# KiCad board kicker.kicad_pcb (continued)
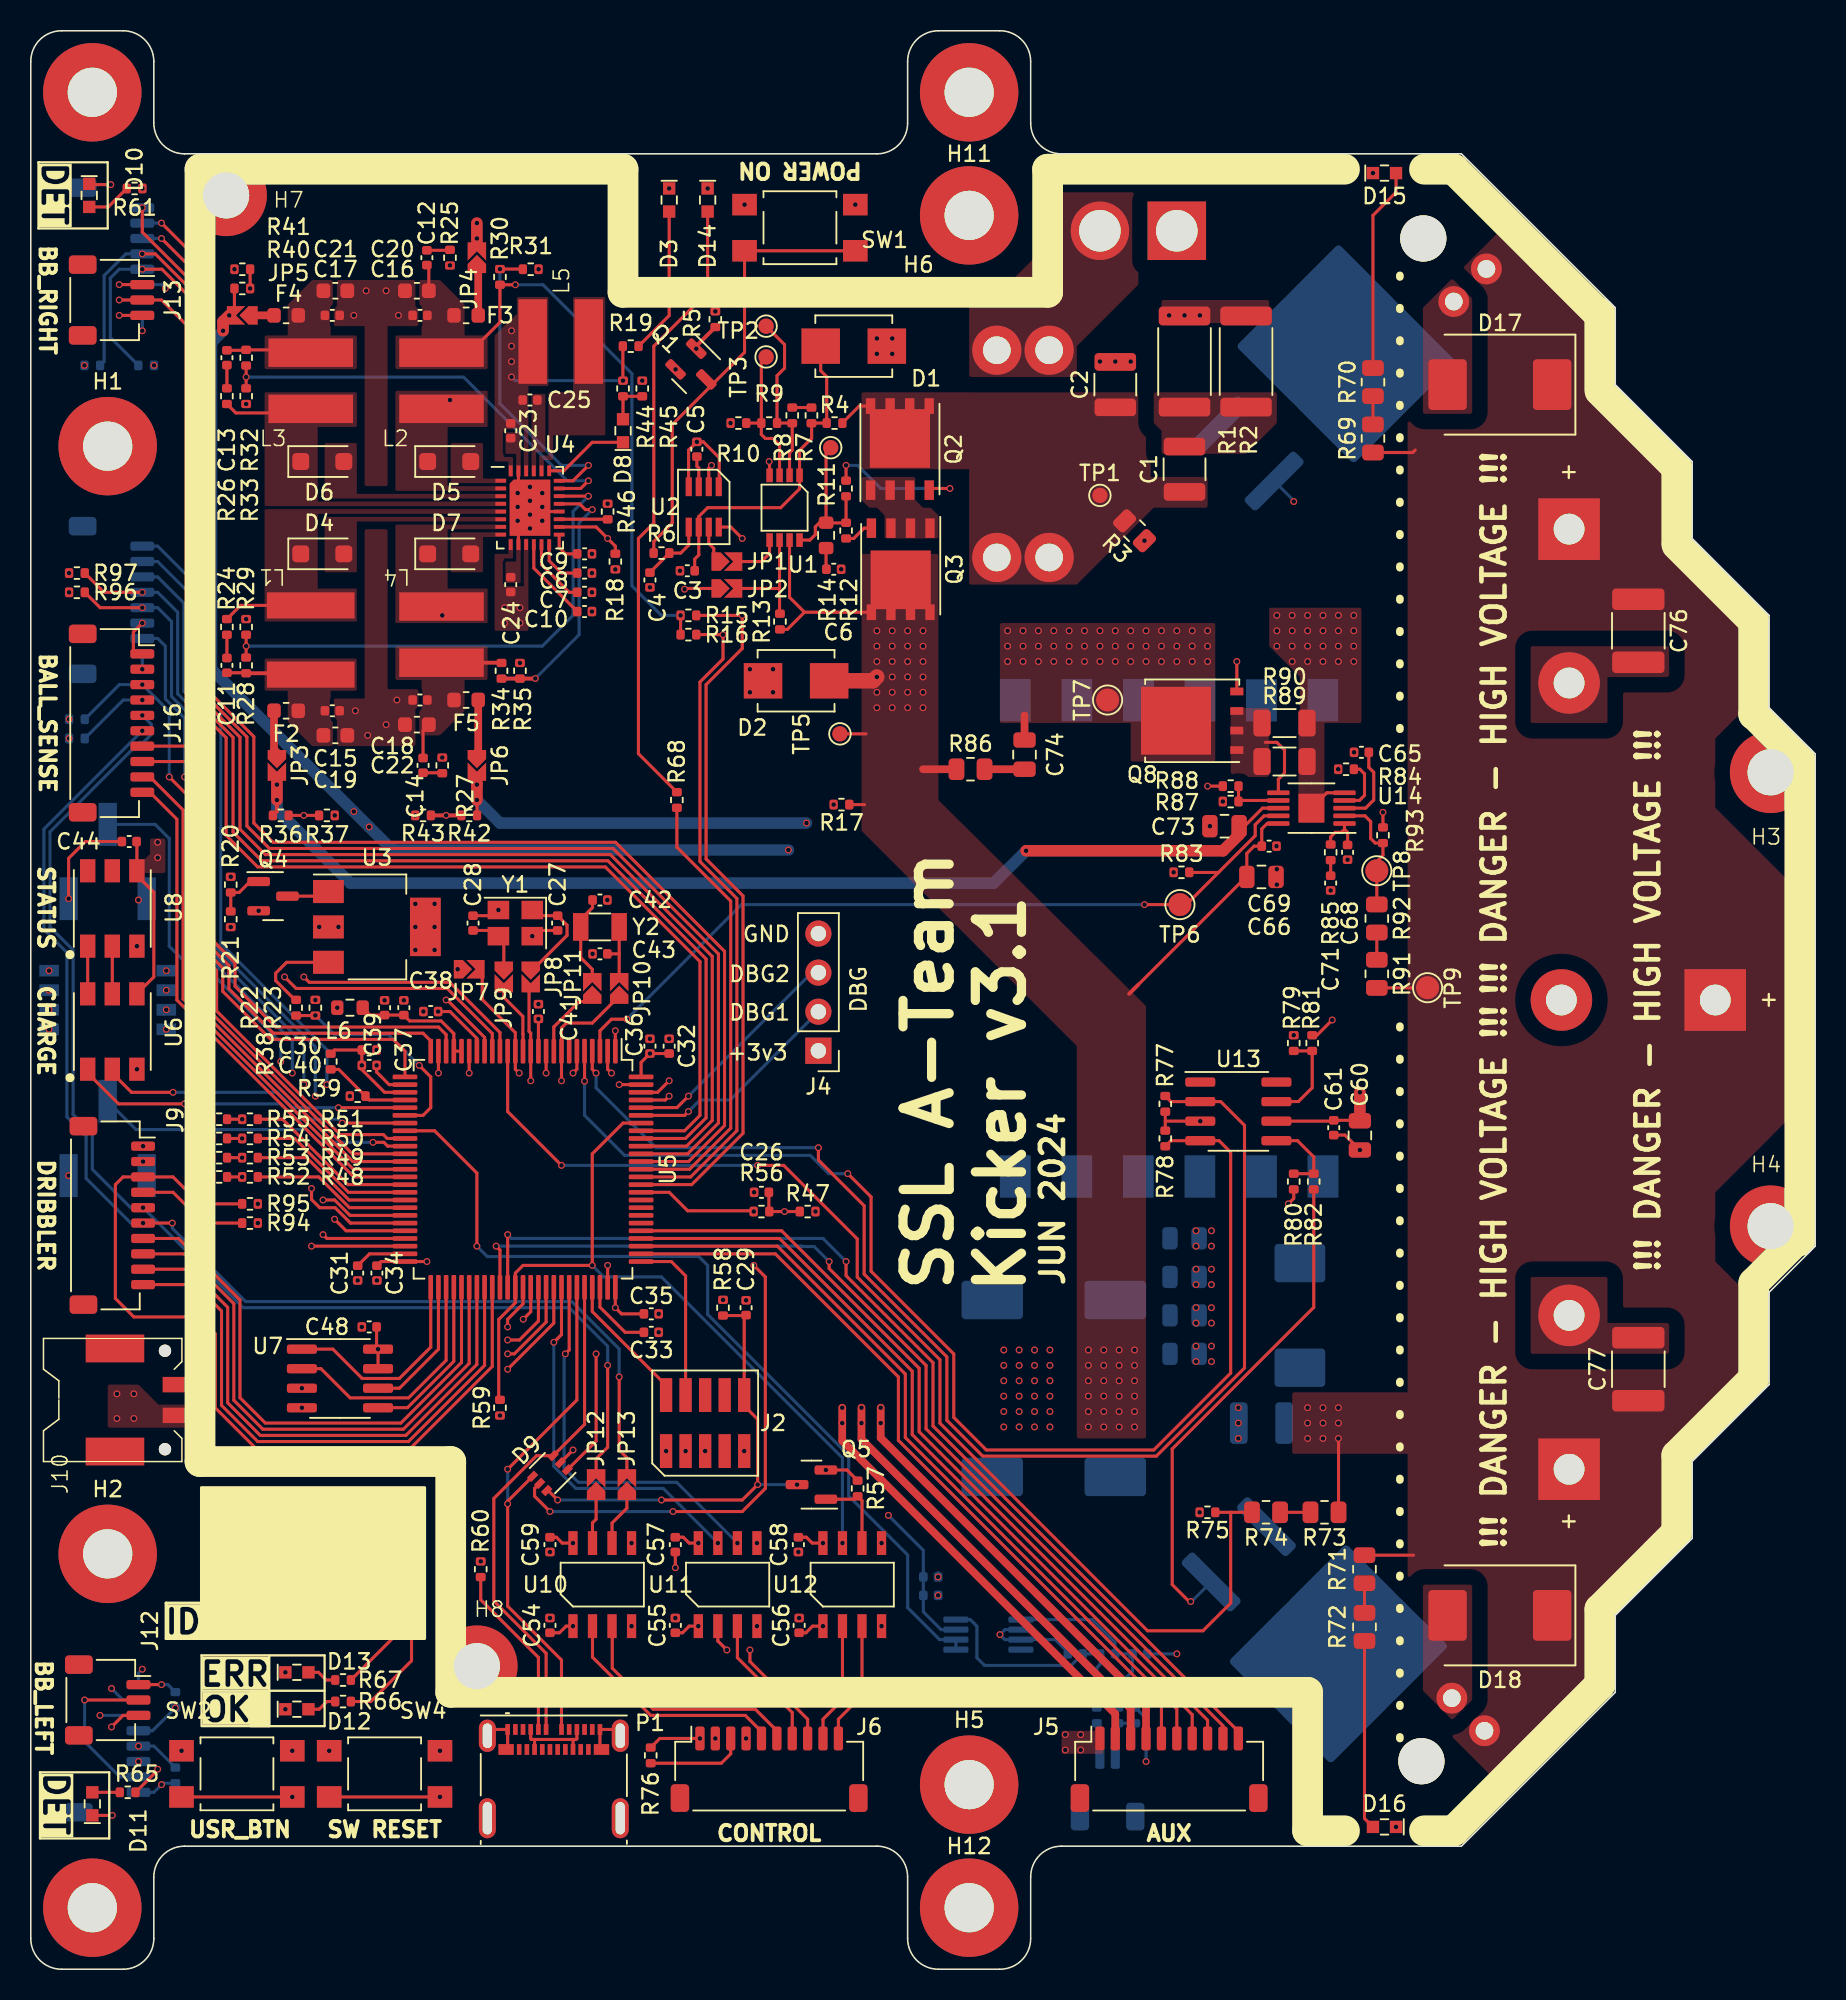
[diagram p0: board, top side]
## Routing (per net, layer and track width the routed paths; a pad name or vN(x,y) marks a point on that pad's centre or on a via; arc(x,y) is an arc through that point) (continued)
/Breakbeam/BB_LEFT.SCL: length 40.5
  Top w0.2: v1(31,39) 34,42 U5.67
  In1.Cu w0.2: v1(31,39) 9.4,17.4 v1(9.4,16.99)
  Bottom w0.2: v1(9.4,16.99) 7.91,15.5 J15.5
/Breakbeam/BB_LEFT.SDA: length 44
  Top w0.2: v1(31,40) 31.43,40 33.5,42.07 U5.66
  In1.Cu w0.2: v1(31,40) 8.22,17.22 8.22,15.72 v1(7,14.5)
  Bottom w0.2: v1(7,14.5) 8.01,14.5 R99.2
/Breakbeam/BB_LEFT.~{DET}: length 40.7
  Top w0.2: v1(31,41.75) 31,42.25 32,43.25 U5.63
  In1.Cu w0.2: v1(5.25,18.25) 5.25,18.5 28.5,41.75 v1(31,41.75)
  Bottom w0.2: v1(5.25,18.25) 6,17.5 J15.7
/Breakbeam/BB_RIGHT.AGPIO: length 66.9
  Top w0.2: v1(5.75,108.5) J13.2 8.5,108.5 10.1,106.9 10.1,82.18 11.9,80.38 11.9,66.8 13.28,65.42 13.28,63.89 15.93,61.24 26.51,61.24 27,60.75 U5.23
  Bottom w0.2: J13.2 v1(5.75,108.5)
/Breakbeam/BB_RIGHT.INT: length 93.1
  Top w0.2: v1(7.25,114.5) 7.25,112.91 11.09,109.07 11.09,82.59 13.6,80.08 13.6,74.1 15.25,72.45 37.68,72.45 44.3,65.83 44.3,55.17 42.63,53.5 U5.91
/Breakbeam/BB_RIGHT.RST: length 92.7
  Top w0.2: v1(8.5,112.5) 11.42,109.58 11.42,82.73 14.05,80.1 14.05,74.31 15.51,72.85 37.85,72.85 44.7,66 44.7,55 42.7,53 U5.90
  Bottom w0.2: v1(8.5,112.5) J14.6
/Breakbeam/BB_RIGHT.SCL: length 98.8
  Top w0.2: v1(7.25,111.5) 8.09,111.5 10.76,108.83 10.76,82.46 13.15,80.07 13.15,73.91 15.01,72.05 37.52,72.05 43.9,65.67 43.9,55.33 42.57,54 U5.92
  Bottom w0.2: R100.2 4.77,104.51 4.77,110.09 6.18,111.5 v1(7.25,111.5)
/Breakbeam/BB_RIGHT.SDA: length 97.2
  Top w0.2: v1(7.25,110.5) 8.53,110.5 10.43,108.6 10.43,82.32 12.7,80.05 12.7,73.7 14.75,71.65 37.35,71.65 43.5,65.5 43.5,55.5 42.5,54.5 39.5,54.5
  Bottom w0.2: R98.2 5.17,106.07 5.17,109.92 5.75,110.5 v1(7.25,110.5)
/Breakbeam/BB_RIGHT.~{DET}: length 94.5
  Top w0.2: v1(8.5,113.5) 11.75,110.25 11.75,82.87 14.5,80.12 14.5,74.5 15.75,73.25 38.01,73.25 45.1,66.16 45.1,54.84 42.76,52.5 U5.89
  Bottom w0.2: v1(8.5,113.5) J14.7
/digital/AUX_GPIO1: length 66.4
  Top w0.2: v1(51.9,46) 51.9,45.55 58.2,39.25 58.2,35.12 77.5,15.82 J5.9 ; U5.60 30.5,46.75 v1(30.25,47)
  Bottom w0.2: v1(51.9,46) 50.93,46.97 50.13,46.97 50.11,47 v1(30.25,47)
/digital/AUX_GPIO2: length 67.7
  Top w0.2: J5.10 78.5,15.46 58.65,35.31 58.65,39.43 53,45.08 v1(53,46) ; v1(31,47.75) U5.61
  Bottom w0.2: v1(31,47.75) 31.25,47.5 51.5,47.5 v1(53,46)
/digital/AUX_MISO: length 52.6
  Top w0.2: U5.79 48.67,47.5 57.3,38.87 57.3,34.75 75.5,16.55 J5.7
/digital/AUX_MOSI: length 53.6
  Top w0.2: U5.80 48.81,48 57.75,39.06 57.75,34.94 76.5,16.19 J5.8
/digital/AUX_NSS: length 50.6
  Top w0.2: J5.5 73.5,17.28 56.4,34.38 56.4,38.5 48.4,46.5 U5.77
/digital/AUX_SCK: length 51.6
  Top w0.2: U5.78 48.54,47 56.85,38.69 56.85,34.56 74.5,16.91 J5.6
/digital/BB_LED1_BLUE: length 81.7
  Top w0.2: v1(38,61) U5.1
  In1.Cu w0.2: v1(38,61) 16,61 11.1,65.9 11.1,111.91 v1(7.26,115.75)
/digital/BB_LED2_BLUE: length 68.3
  Top w0.2: U5.2 37.5,58.5 v1(37.75,58.25) ; R65.1 8.25,12.94 v1(8.25,13)
  In1.Cu w0.2: v1(37.75,58.25) 37.5,58 37.5,55.6 38.75,54.35 38.75,33.82 34.18,29.25 33.54,29.25 33.54,29.25 23.75,29.25 8.25,13.75 v1(8.25,13)
/digital/CMD_{CHG}: length 53.5
  Top w0.2: 77.21,71.29 75.12,69.2 TP6.1 v1(72.4,69.2) ; 77.21,71.29 75.32,71.29 R83.1 ; 77.21,71.29 79.59,73.68 79.59,74.4 80.17,74.97 U14.9 ; U5.3 37,61 37.75,61.75 v1(38.75,61.75)
  Bottom w0.2: v1(38.75,61.75) 46.2,69.2 v1(72.4,69.2)
/digital/CMD_{CHIP}: length 81.6
  Top w0.2: R78.1 74.12,53.85 U13.4 77.25,53.85 78,53.1 78,38.75 73,33.75 62.12,33.75 60,35.87 60,39.99 54.62,45.37 54.62,50.2 v1(53.11,51.71) ; v1(36,57.72) U5.5
  Bottom w0.2: v1(36,57.72) 36,55.5 38.6,52.9 50.67,52.9 51.86,51.71 v1(53.11,51.71)
/digital/CMD_{KICK}: length 84.1
  Top w0.2: v1(51.2,53.4) 51.2,52.6 54.18,49.62 54.18,45.18 59.55,39.8 59.55,35.68 61.88,33.35 73.17,33.35 78.9,39.08 78.9,54.85 77.35,56.4 74.12,56.4 R77.1 ; U5.4 36.5,58.5 v1(36.75,58.25)
  Bottom w0.2: v1(51.2,53.4) 40.64,53.4 36.75,57.29 v1(36.75,58.25)
/digital/DBG_HDR1: length 14.3
  Top w0.2: U5.95 42.5,55.5 v1(42.75,55.75)
  Bottom w0.2: J4.2 45.46,56.5 43.5,56.5 v1(42.75,55.75)
/digital/DBG_HDR2: length 14.8
  Top w0.2: 40,56 40,56 42,56 v1(42.75,56.75)
  Bottom w0.2: J4.3 50.78,64.78 v1(42.75,56.75)
/digital/DIP0: length 11.3
  Top w0.2: R51.2 16.37,55.25 20.62,51 U5.40
/digital/DIP1: length 11
  Top w0.2: R50.2 17.15,54 20.65,50.5 U5.41
/digital/DIP2: length 10.7
  Top w0.2: U5.42 20.69,50 17.94,52.75 R49.2
/digital/DIP3: length 10.4
  Top w0.2: U5.43 20.72,49.5 18.72,51.5 R48.2
/digital/DOTSTAR_MOSI: length 21.9
  Top w0.2: U6.1 3.7,58.25 5.7,56.25 v1(10,56.25) ; v1(20.25,55) 24,55
  Bottom w0.2: v1(20.25,55) 20,55.25 17.22,55.25 16.22,56.25 v1(10,56.25)
/digital/DOTSTAR_SCK: length 20.2
  Top w0.2: U6.2 5.3,58.25 6.55,57 v1(9.25,57) ; U5.30 v1(20,56)
  Bottom w0.2: v1(20,56) 17.03,56 16.03,57 v1(9.25,57)
/digital/FLASH_MISO: length 15.9
  Top w0.2: U5.53 27,39.58 24.56,37.14 20.76,37.14 18.87,39.03 U7.2
/digital/FLASH_MOSI: length 11
  Top w0.2: U5.54 27.5,39.51 24.49,36.5 22.58,36.5 U7.5
/digital/FLASH_NSS: length 13.9
  Top w0.2: U5.51 26,40.44 23.96,38.4 21.54,38.4 19.64,40.31 U7.1
/digital/FLASH_SCK: length 9
  Top w0.2: 22.57,37.76 23.97,37.76 26.5,40.3 U5.52
/digital/LED_GREEN: length 54.8
  Top w0.2: v1(41.5,56.75) 41.25,56.5 U5.97 ; R66.1 22.1,17.4 24.75,20.05 v1(24.75,25.75)
  In1.Cu w0.2: v1(41.5,56.75) 39.41,54.66 39.41,33.54 34.46,28.59 33.27,28.59 33.26,28.59 27.34,28.59 24.75,26 v1(24.75,25.75)
/digital/LED_RED: length 53.9
  Top w0.2: v1(24,25) 24,21.99 R67.1 ; v1(41.5,57.75) 40.75,57 U5.98
  In1.Cu w0.2: v1(24,25) 24,25.82 27.1,28.92 33.4,28.92 33.4,28.92 34.32,28.92 39.08,33.68 39.08,55.33 v1(41.5,57.75)
/digital/MCU_BOOT_UART.BOOT0: length 52.2
  Top w0.2: U5.94 38.5,55 36.5,53 v1(36.5,45.75) 32,45.75 31.5,45.25 U5.62 31.5,43.32 30.42,42.23 30.42,37.09 R59.2
  Bottom w0.2: v1(36.5,45.75) 37.25,45 41,45 52.76,33.24 v1(52.76,27.7)
/digital/MCU_BOOT_UART.PWR_EN: length 96.2
  Top w0.25: R5.2 43.26,105.5 v1(43.26,105.33)
  In1.Cu w0.2: v1(43.26,105.33) 43.26,103.01 41.8,101.55 41.8,92.43 43.85,90.38 43.85,75.65 48.18,71.32 48.18,16.68 v1(46.5,15)
/digital/MCU_BOOT_UART.RST: length 5.3
  Top w0.2: Q5.1 53.56,30.55 R57.1 54.03,30.46 U12.6
/digital/MCU_BOOT_UART.RX: length 25.2
  Top w0.2: U5.69 35,40.25 v1(34.75,40)
  Bottom w0.2: v1(34.75,40) 34.67,39.92 34.67,32.58 35.6,31.65 41.99,31.65 v1(45.94,27.7)
/digital/MCU_BOOT_UART.TX: length 24.6
  Top w0.2: U5.68 34.5,41.25 v1(34,40.75)
  Bottom w0.2: v1(34,40.75) 34,32.68 35.43,31.25 41.12,31.25 v1(44.66,27.7)
/digital/MCU_BOOT_UART.~{DET}: length 6.5
  Top w0.2: R76.2 44.89,13.39 45.5,14 J6.3
/digital/NRST: length 106.4
  Top w0.2: SW4.2 v1(26.6,11.2) ; R58.2 46.47,42.49 C29.1 46.38,42.4 J2.10 46.38,36.62 47.25,35.75 v1(47.25,31.5) 46.25,30.5 v1(41,30.5) ; v1(34.25,30.5) 33.63,31.12 D9.6 ; JP7.2 29.35,63.03 31.5,60.88 U5.14 31.5,58.5 v1(31.75,58.25)
  In1.Cu w0.2: v1(41,30.5) 36.84,30.5 34.59,28.26 33.13,28.26 33.13,28.26 27.57,28.26 25.5,26.19 25.5,12.3 v1(26.6,11.2) ; v1(31.75,58.25) 31.75,55.25 33.42,53.58 33.42,31.33 v1(34.25,30.5)
  Bottom w0.2: v1(47.25,31.5) v1(49.81,31.5) ; v1(34.25,30.5) v1(41,30.5)
/digital/PWR_BTN_PRESSED_~{INT}: length 53.1
  Top w0.2: U2.8 45.51,93.74 v1(46.25,93) ; R15.2 v1(46.25,88) 46.25,85.85 43.9,83.5 43.9,72.17 46.3,69.77 46.3,54.34 42.96,51 40,51
  In1.Cu w0.2: v1(46.25,93) v1(46.25,88)
/digital/PWR_KILL: length 55.8
  Top w0.2: R16.2 v1(45,86.75) 45,85.17 43.5,83.67 43.5,72 45.9,69.6 45.9,54.51 42.89,51.5 U5.87 ; v1(44.25,97.75) 44.07,97.58 U2.2
  In1.Cu w0.2: v1(44.25,97.75) 44.25,87.5 v1(45,86.75)
/digital/ShutdownInitiated: length 29.2
  Top w0.2: U5.88 42.83,52 45.5,54.67 45.5,69.43 42,72.93 R68.1
/digital/SWCLK: length 11
  Top w0.2: U5.76 41.64,46 42.57,45.07 J2.4
/digital/SWDIO: length 9
  Top w0.2: J2.2 41.3,37.95 36.5,42.75 U5.72
/digital/TEMP_PROBE: length 58.7
  Top w0.2: v1(29,47) 29,51.75 26.25,54.5 24,54.5
  Bottom w0.2: U9.5 U9.6 59.07,21.43 57,23.5 57,26.93 53.16,30.76 53.16,33.4 44,42.57 44,45.75 43.42,46.33 30.45,46.33 30.44,46.32 29.68,46.32 v1(29,47)
/digital/USB_OTG_FS_D_N: length 34.5
  Top w0.2: P1.A7 34.5,20.1 31,23.6 v1(31,30.25) 31,30.42 D9.4 ; v1(31,32.5) 35.5,37 U5.70
  Bottom w0.2: v1(31,30.25) v1(31,32.5)
/digital/USB_OTG_FS_D_P: length 33.2
  Top w0.2: P1.A6 33.5,20.53 30.1,23.93 30.1,30.6 32.88,33.38 D9.3 36,35.42 U5.71
/digital/USER_ADJ1: length 20.5
  Top w0.2: v1(22.25,53.75) 22.95,53.75 23.2,53.5 U5.35
  Bottom w0.2: RV1.2 6.84,54.58 17.92,54.58 18.75,53.75 v1(22.25,53.75)
/digital/USER_ADJ2: length 33.2
  Top w0.2: v1(11,64.5) 11,62.9 20.9,53 U5.36
  Bottom w0.2: v1(11,64.5) 9,66.5 9,73.5 8.09,74.41 RV2.2
/digital/USR_BTN: length 43.3
  Top w0.2: 47.09,49.3 47.05,49.3 v1(47,49.25) 46.95,49.3 42.7,49.3 41.5,50.5 U5.85 ; v1(33.75,29.75) 32.75,30.75 32.75,31.25 D9.5 ; v1(41.75,29.75) 46.25,29.75 47.75,31.25 47.75,31.71 47.75,31.71 47.75,45 v1(47,45.75)
  In1.Cu w0.2: v1(47,45.75) v1(47,49.25)
  Bottom w0.2: v1(33.75,29.75) v1(41.75,29.75)
/digital/V_{sense}_3v3: length 5.6
  Top w0.2: U5.29 22.01,56.5 20.02,58.49 R38.2
/digital/V_{sense}_5v0: length 67
  Top w0.2: R41.1 v1(14.26,109.25) ; U5.17 30,60.82 27.07,63.75 17.25,63.75 v1(16.5,64.5)
  In1.Cu w0.2: v1(14.26,109.25) 13.5,109.25 11.5,107.25 11.5,67.5 14.5,64.5 v1(16.5,64.5)
/digital/V_{sense}_6v2: length 18.4
  Top w0.2: v1(27,63) 27.07,63 29.5,60.57 U5.18 ; 29.5,59.84 29.54,59.88
  Top w0.25: R42.2 v1(27,75) R43.1
  In1.Cu w0.2: v1(27,63) v1(27,75)
/digital/V_{sense}_12v0: length 27.9
  Top w0.2: R36.2 v1(17.75,75) R37.1 ; v1(17.75,64.5) 18.1,64.15 27.24,64.15 30.5,60.89 U5.16
  In1.Cu w0.2: v1(17.75,64.5) v1(17.75,75)
/digital/V_{sense}_HV: length 99.3
  Top w0.2: v1(36.75,40) 36.75,34.33 D9.1 ; v1(47.25,52.25) 48.95,52.25 53.72,47.47 53.72,44.99 59.1,39.62 59.1,35.5 72.6,22 76.2,22 78,23.8 78,29.7 ; 78,29.7 R74.2 ; 78,29.7 R75.1 ; v1(34.5,52.25) 31,55.75 U5.15
  In1.Cu w0.2: v1(36.75,40) 36.75,40.5 34.5,42.75 v1(34.5,52.25)
  Bottom w0.2: v1(34.5,52.25) v1(47.25,52.25)
/digital/V_{sense}_V_{batt}: length 14.3
  Top w0.2: v1(25.25,58.75) 26,58 26,56 25.5,55.5 U5.31 ; R22.2 R23.1
  Bottom w0.2: v1(25.25,58.75) 23.25,60.75 19.75,60.75 v1(18.5,62)
/Dribbler/DRIB_BOOT_UART.BOOT0: length 36.7
  Top w0.2: J9.9 10.33,45.5 12.8,43.03 12.8,36.82 14.92,34.7 24.39,34.7 29,39.31 U5.57
/Dribbler/DRIB_BOOT_UART.RST: length 37.1
  Top w0.2: J9.10 10.69,44.5 12.4,42.79 12.4,36.65 14.75,34.3 24.55,34.3 29.5,39.25 U5.58
/Dribbler/DRIB_BOOT_UART.RX: length 36.3
  Top w0.2: U5.56 28.5,39.38 24.22,35.1 15.08,35.1 13.2,36.98 13.2,43.26 9.96,46.5 J9.8
/Dribbler/DRIB_BOOT_UART.TX: length 35.9
  Top w0.2: J9.7 9.6,47.5 13.6,43.5 13.6,37.15 15.25,35.5 24.05,35.5 28,39.45 U5.55
/Dribbler/DRIB_BOOT_UART.~{DET}: length 55.2
  Top w0.2: R95.2 11,49.75 9.25,51.5 J9.3 6,51.5 5.5,51 5.5,43.6 6.7,42.4 10.9,42.4 12,41.3 12,36.49 14.59,33.9 24.72,33.9 30,39.18 U5.59
/hv_kicker/DL1S: length 1.8
  Top w0.2: R69.2 R70.1
/hv_kicker/DL2S: length 1.9
  Top w0.2: R71.2 R72.1
/hv_kicker/flyback_charger/CSP: length 4.4
  Top w0.2: U14.6 81.1,77.35 81.5,77.75 81.5,79.25 81,79.75 80.25,79.75
/hv_kicker/flyback_charger/FB: length 8
  Top w0.2: U14.2 86.73,74.97 87.1,74.6 87.1,73.5 87.4,73.2 R93.2 87.9,72.4 87.5,72 TP8.1 R92.1
/hv_kicker/flyback_charger/HVFBS: length 1.8
  Top w0.2: R91.1 R92.2
/hv_kicker/flyback_charger/HVGATE: length 3.6
  Top w0.2: R88.1 R87.2 78.58,75.97 U14.7
/hv_kicker/flyback_charger/V_{solenoid}: length 13.1
  Top w0.2: 89.8,63.8 89.79,63.79 R91.2 ; R69.1 89.84,98.59 90,98.75 ; R71.1 89.89,26.91 ; R73.1 85.01,34.49
  Top w0.25: 85.01,34.49 v1(85,34.5)
  vias: v1(83,36.5) v1(83,35.5) v1(83,34.5) v1(84,36.5) v1(84,35.5) v1(84,34.5) v1(85,36.5) v1(85,35.5)
/hv_kicker/flyback_charger/V_{trans}: length 4
  Top w0.2: 73.85,81.55 75.5,83.2
  Top w0.5: 64.6,79.85 64.6,81.5
  vias: v1(63.5,87) v1(63.5,86) v1(63.5,85) v1(64.5,87) v1(64.5,86) v1(64.5,85) v1(65.5,87) v1(65.5,86) v1(65.5,85) v1(66.5,87) v1(66.5,86) v1(66.5,85) v1(67.5,87) v1(67.5,86) v1(67.5,85) v1(68.5,87) v1(68.5,86) v1(68.5,85) v1(69.5,87) v1(69.5,86) v1(69.5,85) v1(70.5,87) v1(70.5,86) v1(70.5,85) v1(71.5,87) v1(71.5,86) v1(71.5,85) v1(72.5,87) v1(72.5,86) v1(72.5,85) v1(73.5,87) v1(73.5,86) v1(73.5,85) v1(74.5,87) v1(74.5,86) v1(74.5,85) v1(75.5,87) v1(75.5,86) v1(75.5,85) v1(76.5,87) v1(76.5,86) v1(76.5,85)
/hv_kicker/HVMS: length 2
  Top w0.2: R74.1 R73.2
/hv_kicker/solenoid_control/GATE_{chip}: length 5.3
  Top w0.2: R80.1 R82.1 83.4,52.8 82.34,53.85 U13.5
/hv_kicker/solenoid_control/GATE_{chip}_FILT: length 33
  Top w0.2: R82.2 83.4,43.02 74.2,33.82 74.2,25 75.3,23.9 v1(75.4,23.9)
  Bottom w0.2: v1(75.4,23.9) 75.46,23.9 Q7.1
/hv_kicker/solenoid_control/GATE_{kick}: length 6.3
  Top w0.2: 80.97,56.4 81.29,56.4 81.3,56.4 82.4,56.4 83.3,57.3 R81.1 R79.1
/hv_kicker/solenoid_control/GATE_{kick}_FILT: length 42.5
  Top w0.2: v1(84.6,61.7) 83.61,60.71 R81.2
  In1.Cu w0.2: v1(82.1,95.4) 88.62,88.88 88.62,64.32 86,61.7 v1(84.6,61.7)
  Bottom w0.2: v1(82.1,95.4) 82.1,95.46 Q6.1
/isol/BOOT_UART_BOOT0_ISOL: length 7.8
  Top w0.2: J6.9 51.5,16.25 52.76,17.51 52.76,22.3
/isol/BOOT_UART_RST_ISOL: length 7.9
  Top w0.2: J6.10 52.5,16.25 54.03,17.78 U12.3
/isol/BOOT_UART_RX_ISOL: length 8.8
  Top w0.2: U11.3 45.94,20.25 49.5,16.68 J6.7
/isol/BOOT_UART_TX_ISOL: length 10.6
  Top w0.2: J6.8 50.5,16.25 46.75,20 v1(46.75,20.75) ; 44.66,22.3 44.66,21.34 v1(45.25,20.75)
  In1.Cu w0.2: v1(45.25,20.75) v1(46.75,20.75)
/isol/CLK_8M_ISOL: length 15.5
  Top w0.2: J6.5 47.5,15.45 46.45,16.5 40.3,16.5 36.51,20.28 U10.2
/isol/CLK_32K_ISOL: length 15.7
  Top w0.2: 37.8,21.81 37.8,19.57 40.47,16.9 47.1,16.9 48.5,15.5 J6.6 48.55,15.05
  Top w0.25: 37.8,21.81 37.78,21.82 U10.3
/isol/V_{logic}_ISOL: length 5.1
  Top w0.2: v1(43.4,22.3) 42.8,22.3 42.37,21.87 C55.1 ; C54.1 34.37,21.87 34.8,22.3 v1(35.25,22.3) ; C56.1 50.39,21.87 50.82,22.3 v1(51.5,22.3)
  vias: v1(44.5,15)
/Power Protection/PGOOD_{VBATT}: length 12.9
  Top w0.2: R18.1 38,92.5 v1(37.5,93) 36.75,93.75 U4.16 ; v1(42.5,89.7) 42.55,89.75 JP2.1
  In1.Cu w0.2: v1(37.5,93) 38.75,93 42.05,89.7 v1(42.5,89.7)
/Power Protection/V_{BATT}_FUSED: length 2.3
  Top w0.2: Q2.5 53.85,101.61 52.76,100.51
  Top w0.25: 52.75,100.5 R4.2 52.76,100.51
Net-(C6-Pad1): length 1.4
  Top w0.2: R14.2 51.7,91.02
  Top w0.25: 51.7,91.02 C6.1
Net-(C11-Pad1): length 1.5
  Top w0.2: R24.2 C11.1
Net-(C11-Pad2): length 5.6
  Top w0.2: R28.1 13.97,84.27 C11.2 ; 14.1,84.09 14,84.19
  Top w0.25: R28.1 18.11,84.24 L1.2
Net-(C12-Pad1): length 1.5
  Top w0.2: C12.1 27.22,111.73 R25.2
Net-(C13-Pad1): length 1.5
  Top w0.2: R26.2 C13.1
Net-(C13-Pad2): length 5.5
  Top w0.2: C13.2 13.97,105.23 R32.1 18.01,105.26 L3.2
Net-(C14-Pad1): length 1.3
  Top w0.2: R27.2 26.72,77.77 C14.1
Net-(C14-Pad2): length 6.2
  Top w0.2: C14.2 25.5,80.53 C22.1
  Top w0.25: L4.2 30.59,84.93 R34.1
Net-(C26-Pad1): length 79.1
  Top w0.2: R47.1 v1(49,49.25) R56.2 47.98,49.28 47.98,50.5 ; SW2.1 v1(17,11.2)
  In1.Cu w0.2: v1(17,11.2) 17.7,10.5 27.25,10.5 29.25,12.5 47,12.5 49,14.5 v1(49,49.25)
Net-(C71-Pad1): length 1
  Top w0.2: R85.1 C71.1
Net-(C74-Pad1): length 2.6
  Top w0.5: R86.2 64.55,78 64.6,77.95
Net-(D1-A2): length 21.7
  Top w0.2: C3.1 43.16,91.66 43.43,91.92 U2.6 43.43,94.42 44,95 48.75,95 49.97,96.22 U1.1 49.97,98.72 50.76,99.51 50.76,100.5 R4.1 51.74,103.51 51.35,103.9 D1.2
Net-(D3-A): length 9.6
  Top w0.2: D3.2 41.5,107.49 R19.2
Net-(D4-K): length 5.8
  Top w0.2: L1.1 13.64,88.65 R24.1
Net-(D5-K): length 8.8
  In1.Cu w0.2: v1(27.25,102) v1(27.25,110.75)
Net-(D6-K): length 5.8
  Top w0.2: R26.1 13.33,101.16 17.94,101.16 L3.1
Net-(D7-K): length 9.2
  In1.Cu w0.2: v1(26.75,78.76) v1(26.75,88)
Net-(D8-A): length 2.7
  Top w0.2: D8.2 R44.2 R45.2
Net-(D8-K): length 5.6
  Top w0.2: U4.23 34.65,97.4 36.5,99.25 D8.1
Net-(D10-A): length 2.9
  Top w0.2: D10.2 5.04,114.55 R61.2
Net-(D11-A): length 1.8
  Top w0.2: D11.2 R65.2
Net-(D12-A): length 1.9
  Top w0.2: D12.2 18.75,16.9 19.25,17.4 R66.2
Net-(D13-A): length 1.9
  Top w0.2: D13.2 18.7,19.3 19.2,18.8 R67.2
Net-(D14-A): length 40.6
  Top w0.2: R68.2 39.5,79.01 39.5,93 40.5,94 40.5,105.5 44,109 D14.2
Net-(D15-A): length 13.3
  Top w0.2: 87.25,104.08 87.25,114 88.75,115.5 D15.2
Net-(D16-A): length 12.3
  Top w0.2: R72.2 86.7,9.8 D16.2
Net-(J3-Pin_1): length 3.4
  Bottom w0.2: R62.2 R63.1 70.7,15.2 70.5,15 J3.1
Net-(J3-Pin_2): length 2.3
  Bottom w0.2: R64.1 69.3,15.2 69.5,15 J3.2
Net-(J9-Pin_4): length 7.3
  Top w0.2: R94.2 11.25,48.5 9.25,50.5 J9.4
Net-(J16-Pin_4): length 4.8
  Bottom w0.2: R102.2 6.01,82.5 v1(7.25,82.5)
Net-(JP1-A): length 2.4
  Top w0.2: JP1.1 44.4,92.35 44.07,92.67 U2.7
Net-(JP1-B): length 3
  Top w0.2: U1.5 48.03,92.03 47.5,91.5 JP1.2
Net-(JP2-B): length 7.4
  Top w0.2: 48.68,89.8 48.68,88.14 R13.2 ; 48.68,89.8 U1.6 ; 48.68,89.8 48.62,89.75 JP2.2
Net-(JP3-A): length 2.8
  Top w0.5: F2.2 15.81,79.29 JP3.1
Net-(JP4-A): length 2.9
  Top w0.5: JP4.1 29.09,110.31 F3.2
Net-(JP5-A): length 1.2
  Top w0.5: F4.2 JP5.1
Net-(JP6-A): length 3.4
  Top w0.5: JP6.1 29.09,79.19 F5.2
Net-(JP8-A): length 6.5
  Top w0.2: Y1.1 32.97,68.48 C27.1 34.86,67.87 34.86,67.2 33.01,65.35 JP8.1
Net-(JP9-A): length 3.7
  Top w0.2: C28.1 30.03,67.52 Y1.3 30.75,66.8 JP9.1
Net-(JP9-B): length 4.5
  Top w0.2: U5.13 32,60.78 31.99,60.79 31.99,61.93 30.75,63.17 JP9.2
Net-(JP10-B): length 3.9
  Top w0.2: JP10.2 38.25,66 ; 38.25,66 Y2.2 ; 38.25,66 C43.1
Net-(JP11-A): length 4.8
  Top w0.2: JP11.1 35.65,62.9 34,61.25 U5.9
Net-(JP11-B): length 5.5
  Top w0.2: C42.1 36.52,69.01 35.75,68.24 Y2.1 35.75,65.75 36.5,65 JP11.2
Net-(JP12-A): length 3
  Top w0.2: JP12.1 36.75,29.25 36.51,29.01 U10.7
Net-(JP13-A): length 3.3
  Top w0.2: JP13.1 38.75,29.97 37.78,29 U10.6
Net-(P1-CC): length 11.5
  Top w0.2: R60.1 29.25,24.02 33,20.27 P1.A5
Net-(Q1-D): length 29.3
  Top w0.2: SW1.2 SW1.2 46.4,105.1 41.7,100.4 41.7,94 40.5,92.8 40.5,92.06 R6.2
Net-(Q2-G): length 9.8
  Top w0.2: v1(59.75,96.25) 58.51,96.25 Q2.4 ; R11.1 v1(53,97.75)
  Bottom w0.2: v1(53,97.75) 53.75,97.75 55.25,96.25 v1(59.75,96.25)
Net-(Q3-G): length 1.9
  Top w0.2: R12.2 53.5,93 54.17,93.67 Q3.4
Net-(Q4-D): length 2.8
  Top w0.2: Q4.3 19.05,69.75 U3.1
Net-(Q4-G): length 3.3
  Top w0.2: Q4.1 14.26,70.7 13.55,69.99 R20.1 R21.1
Net-(Q8-G): length 11.9
  Top w0.2: v1(78.4,85) Q8.4 78.43,83.08 ; R88.2 v1(76.5,76.9)
  In1.Cu w0.2: v1(78.4,85) 78.4,78.8 v1(76.5,76.9)
Net-(R7-Pad2): length 1.2
  Top w0.2: R7.2 R8.1
Net-(R48-Pad1): length 12.8
  Top w0.2: 12.81,51.5 12.71,51.4 ; R52.2 v1(13.74,51.5)
  In1.Cu w0.2: v1(8.81,61.09) 12.32,57.59 12.32,52.92 v1(13.74,51.5)
Net-(R49-Pad1): length 12.6
  Top w0.2: R53.2 v1(13.74,52.75)
  In1.Cu w0.2: v1(8.81,62.37) 12.72,58.46 12.72,53.77 v1(13.74,52.75)
Net-(R50-Pad1): length 12.7
  Top w0.2: R54.2 v1(13.74,54)
  In1.Cu w0.2: v1(8.81,63.63) 13.12,59.32 13.12,54.62 v1(13.74,54)
Net-(R51-Pad1): length 12.7
  Top w0.2: R55.2 v1(13.74,55.25)
  In1.Cu w0.2: v1(8.81,64.91) 13.52,60.19 13.52,55.47 v1(13.74,55.25)
  Bottom w0.2: 9.06,64.91 9.07,64.9
Net-(U1-GATE): length 10.5
  Top w0.2: R14.1 51.7,98.6 TP4.1 ; U1.8 50.64,92.89 51,93.25 51,93.75 51.26,94.01 52.99,94.01 R12.1 R11.2
Net-(U1-OV): length 9.6
  Top w0.2: R9.2 47.49,99.76 47.75,99.5 48.25,99.5 48.68,99.08 U1.3 ; R9.2 R10.2 ; R9.2 47.49,104.49 TP3.1
Net-(U1-UV): length 11.5
  Top w0.2: U1.2 49.32,98.58 49.5,98.75 R8.2 49.49,100.5 R9.1 48.51,103.58 49,104.07 49,105.6 TP2.1
Net-(U2-TMR): length 2
  Top w0.2: C5.1 43.3,97.7 43.43,97.58 U2.3
Net-(U2-~{PB}): length 4.4
  Top w0.2: U2.5 42.78,92.58 42.25,92.05 R6.1 40.25,90.79
Net-(U3-OUT): length 6.1
  Top w0.2: R22.1 17.17,63.01 15.92,64.26 15.92,64.74 16.63,65.45 U3.3
Net-(U4A-RT/SYNC): length 3.2
  Top w0.2: U4.17 37.49,94.25 R46.1
Net-(U4B-FB1): length 33.6
  Top w0.2: v1(36.25,95.75) U4.20 ; R28.2 R29.1
  Bottom w0.2: v1(14,86) 33.25,86 35.25,88 35.25,94.75 v1(36.25,95.75)
Net-(U4B-RUN/SS1): length 4.4
  Top w0.2: C7.1 35,89.5 33.2,91.3 U4.13
Net-(U4C-FB2): length 20
  Top w0.2: U4.22 35.25,96.75 v1(36.25,97.75) ; v1(30.5,110.51) 31.98,110.51 R31.1
  Bottom w0.2: v1(30.5,110.51) 30.5,101.75 34.5,97.75 v1(36.25,97.75)
Net-(U4C-RUN/SS2): length 3.2
  Top w0.2: U4.14 33.7,91.55 34.5,90.75 C8.1
Net-(U4D-FB3): length 28.6
  Top w0.2: R33.1 v1(14,103.49) R32.2 ; v1(36.25,96.75) 35.75,96.25 U4.21
  Bottom w0.2: v1(14,103.49) 28.13,103.49 34.88,96.75 v1(36.25,96.75)
Net-(U4D-RUN/SS3): length 2.2
  Top w0.2: U4.15 34.35,92.4 34.75,92 C9.1
Net-(U4E-FB4): length 17
  Top w0.2: v1(36.5,94.88) 36.05,94.88 35.68,95.25 U4.19
  Top w0.25: R34.2 R35.1 32.79,83.89 v1(32.8,83.9)
  Bottom w0.2: v1(32.8,83.9) 35.65,86.75 35.65,94.03 v1(36.5,94.88)
Net-(U4E-RUN/SS4): length 5.5
  Top w0.2: U4.12 32.7,91.07 C10.1
Net-(U5-VCAP_1): length 3.4
  Top w0.2: U5.49 22.02,46.5 C31.2
Net-(U5-VCAP_2): length 4.8
  Top w0.2: C33.2 38.64,41.4 37,43.04 U5.73
Net-(U5-VDDA): length 8.3
  Top w0.2: L6.2 22.06,62.02 C37.1 24.63,61.64 26.68,61.64 27.5,60.82 U5.22 U5.21
Net-(U6-CKO): length 3.1
  Top w0.2: U6.5 U8.2
Net-(U6-SDO): length 3.1
  Top w0.2: U6.6 U8.1
Net-(U9-+IN): length 15.7
  Bottom w0.2: R64.2 69.3,19.6 69.52,19.82 C46.2 C47.1 67.63,19.75 62,19.75 61.5,20.25 61.5,22.3 61.07,22.72 U9.8
Net-(U9--IN): length 12.5
  Bottom w0.2: U9.1 69,22.72 70.48,21.25 C46.1 C45.2 71.62,19.37 70.7,18.45 R63.2
Net-(U14-RT): length 3.7
  Top w0.2: R84.2 86.4,78 86.7,77.7 86.7,76.3 86.37,75.97 U14.4
Net-(U14-SS): length 5.4
  Top w0.2: C65.1 86.98,78.12 87.3,77.8 87.3,76 86.77,75.47 U14.3
Net-(U14-VC): length 3.1
  Top w0.2: U14.1 85.4,74.1 ; 85.4,74.1 85.6,73.9 C68.1 ; 85.4,74.1 85.2,73.9 84.8,73.9 84.5,73.6 R85.2
unconnected-(P1-VBUS-PadA4): length 5.5
  Top w0.2: 35.25,14.94 35.45,14.94 35.5,14.99 P1.A9 ; 35.25,14.94 P1.B4 ; 35.25,14.94 32.75,14.94 ; P1.A4 32.5,14.99 32.55,14.94 32.75,14.94 ; 32.75,14.94 P1.B9

## Copper pours and planes (outline as drawn; the poured copper is in the pictures)
+3.3V_{PREFUSE} on Top: 23.7,104 29.7,104 29.7,106.2 28.2,106.2 28.2,108.2 26.6,109.8 25.2,109.8 25.2,108.3 25.4,108.1 25.4,106.2 23.7,106.2
+3V3 on In4.Cu: 1,117 1,9 56,9 56,117
+5V on Top, In3.Cu: 6.5,71.25 6.5,72 7.25,72 7.75,72.5 7.75,73.5 8.75,73.5 8.75,71.25
+5V on In3.Cu: 20.5,73.75 20.5,75.75 22.5,75.75 22.5,73.75
/isol/GND_ISOL on In2.Cu: 39.5,9 39.5,16 33,22.5 33,23.5 56,23.5 56,9
GND on Top: 31.55,97 31.55,98.5 30.85,98.5 30.85,99.9 31.85,99.9 31.85,97
GND on Top: 10,37.75 10,40.5 11.5,40.5 11.5,37.75
GND on Top: 19.9,79.5 19.9,81.2 19.7,81.4 19.7,82.6 21.7,82.6 21.7,93.6 23.2,93.6 23.2,83.2 25.2,83.2 25.2,82.1 25,81.9 25,79.5
GND on Top: 67,15.5 69.75,15.5 69.75,14 67,14
GND on Top: 73.5,108.5 80.5,108.5 80.5,107 73.5,107
GND on Top: 84.1,74.5 82.4,74.5 82.4,81.9 84.1,81.9
GND on Top: 106.5,40 97.5,40 97.5,45 102.5,45 102.5,42 106.5,42
GND on Top: 106.5,86 97.5,86 97.5,81 102.5,81 102.5,84 106.5,84
GND on Top: 19.9,109.8 19.9,108.1 19.7,107.9 19.7,106.8 21.7,106.8 21.7,96.4 23.2,96.4 23.2,106.8 25.2,106.8 25.2,107.9 25,108.1 25,109.8
GND on Top: 31.55,93 31.55,91.5 30.85,91.5 30.85,90.1 31.85,90.1 31.85,93
GND on Top, Bottom: 82.5,84 80.5,86 80.5,88.5 86.5,88.5 86.5,81 82.5,81
GND on Bottom: 78,30 81.5,26.5 84,29 95,29 95,37.5 97.5,40 102.5,40 102.5,86 97.5,86 89.5,94 79,94 77.5,95.5 77.5,99 80,101.5 78.5,103 75,99.5 75,91.5 85.5,81 89.5,81 89.5,37 85.5,33 78,33
GND on Bottom: 60.25,45 66.75,45 66.75,30.5 60.25,30.5
GND on Bottom: 75.5,48.5 77,48.5 77,39 75.5,39
GND on In2.Cu: 1,9 92.5,9 102,18.5 102,24 106.5,28.5 106.5,34 111.5,39 111.5,88.5 107,93 107,98 102,103 102,108 93,117 1,117
+BATT on Top: 31.35,97 31.05,97 31.05,98 30.15,98 30.15,106.2 31.6,107.6 31.6,108.7 33.65,108.7 33.65,102.9 32.35,102.9 32.35,97 32.05,97 32.05,100.1 30.75,100.1 30.75,98.3 31.35,98.3
+BATT on Top: 11.5,35.2 11.5,36.7 8.3,36.7 7,38 5,38 5,35.2
+BATT on Top: 31.35,93 31.05,93 31.05,92 30.15,92 30.15,87 32.35,87 32.35,93 32.05,93 32.05,89.9 30.75,89.9 30.75,91.7 31.35,91.7
+BATT on Top, In1.Cu: 59,92 59,76 72.5,62.6 72.5,34.5 68,34.5 68,60 54,74 54,92
+BATT on Bottom: 77,53 77,50 74.5,50 74.5,39 73,39 73,30.5 68,30.5 68,50 62.5,50 62.5,53
+BATT on In3.Cu: 1,117 1,9 55.8,9 55.93,80.9 59,80.9 59,88 55.95,88 56,117
/hv_kicker/flyback_charger/CSP on Top: 78,82 80.5,82 80.5,77.5 78,77.5
/hv_kicker/flyback_charger/HV_AC on Bottom: 80.5,47.5 80.5,44.5 85.5,44.5 85.5,53 83,53 83,47.5
/hv_kicker/flyback_charger/V_{solenoid} on Top: 89.5,37.5 82,37.5 82,33.5 89.5,33.5 89.5,18 95.5,12 102,18.5 102,24 106.5,28.5 106.5,34 111.5,39 111.5,44 109.5,46 109.5,50.5 114.5,55.5 114.5,70.5 109.5,75.5 109.5,80 111.5,82 111.5,88.5 107,93 107,98 102,103 102,108 96.2,113.7 89.5,107
/hv_kicker/flyback_charger/V_{solenoid} on Bottom: 80.8,40.5 80.8,34 85.5,34 85.5,37.5 84.2,37.5 84.2,40.5
/hv_kicker/flyback_charger/V_{trans} on Top: 77,78.5 71.5,78.5 71.5,81 63,81 63,87.5 77,87.5
/hv_kicker/flyback_charger/V_{trans} on Bottom: 77,81 63,81 63,87.5 77,87.5
/hv_kicker/solenoid_control/CHIP_SW on Top: 90.5,25 90.5,18.1 92.4,16.2 93.7,17.5 93.7,25
/hv_kicker/solenoid_control/CHIP_SW on Bottom: 94.2,19.3 94.2,17.9 92.1,15.8 87.3,15.8 84.5,13 77.7,19.8 85.7,27.8
/hv_kicker/solenoid_control/KICK_SW on Top: 90.5,101.1 90.5,108 92.4,109.9 93.7,108.6 93.7,101.1
/hv_kicker/solenoid_control/KICK_SW on Bottom: 94.3,105.8 94.3,108.2 92.3,110.2 87.3,110.2 85,112.5 78.2,105.7 86.2,97.7
/isol/V_{logic}_ISOL on Bottom: 39.5,9 39.5,16 35,20.5 35,23 56,23 56,9
/Power Protection/V_{BATT} on Top, Bottom, In1.Cu, In2.Cu: 68,103.5 61,103.5 61,108.5 62.5,108.5 66.5,112.5 66.5,115.5 72,115.5 72,109.5 68,105.5
/Power Protection/V_{BATT}_FUSED on Top: 76.5,97 76.5,95 73,95 68,90 61,90 61,97.5 54,97.5 54,102.5 72.8,102.5 72.8,97
Net-(C1-Pad2) on Top: 73.5,98.5 73.5,100 73,100.5 73,102.5 81,102.5 81,100.5 79,98.5
Net-(C11-Pad2) on Top: 21.2,85.2 15.2,85.2 15.2,83.1 16.7,83.1 16.7,81.1 18.3,79.5 19.7,79.5 19.7,81 19.5,81.2 19.5,83.1 21.2,83.1
Net-(C13-Pad2) on Top: 21.2,104 15.2,104 15.2,106.2 16.7,106.2 16.7,108.2 18.3,109.8 19.7,109.8 19.7,108.3 19.5,108.1 19.5,106.2 21.2,106.2
Net-(C14-Pad2) on Top: 23.7,86 29.7,86 29.7,83.8 28.2,83.8 28.2,81.8 26.6,80.2 25.2,80.2 25.2,81.7 25.4,81.9 25.4,83.8 23.7,83.8
Net-(D4-A) on Top: 30.9,94.1 21.2,94.1 21.2,90.8 19.1,90.8 19.1,94.4 30.9,94.4
Net-(D4-K) on Top: 30.9,94.6 18.65,94.6 18.65,89.75 21.2,89.75 21.2,87.6 15.2,87.6 15.2,94.9 30.9,94.9
Net-(D5-A) on Top: 30.9,96.9 29.4,96.9 29.4,99.2 27.3,99.2 27.3,96.6 30.9,96.6
Net-(D5-K) on Top: 30.9,96.4 27.1,96.4 27.1,100.25 29.7,100.25 29.7,102.6 23.7,102.6 23.7,96.1 30.9,96.1
Net-(D6-A) on Top: 30.9,95.9 21.2,95.9 21.2,99.2 19.1,99.2 19.1,95.6 30.9,95.6
Net-(D6-K) on Top: 30.9,95.4 18.65,95.4 18.65,100.25 21.2,100.25 21.2,102.5 15.2,102.5 15.2,95.1 30.9,95.1
Net-(D7-A) on Top: 30.9,93.1 29.4,93.1 29.4,90.8 27.3,90.8 27.3,93.4 30.9,93.4
Net-(D7-K) on Top: 30.9,93.6 27.1,93.6 27.1,89.75 29.7,89.75 29.7,87.5 23.7,87.5 23.7,93.9 30.9,93.9
Net-(Q2-S-Pad1) on Top: 59,93 59,94.5 58.5,95 58,95 57.5,95.5 57.5,97 54,97 54,95.5 54.5,95 55,95 55.5,94.5 55.5,93
Net-(U4A-SKY) on Top: 32.85,97 32.85,98.6 33.45,98.6 33.45,102.4 32.55,102.4 32.55,97
Net-(U4A-SW5) on Top: 33.35,97 33.35,98.1 33.95,98.1 33.95,99.7 37.35,99.7 37.35,108.7 35.25,108.7 35.25,102.5 33.65,102.5 33.65,98.4 33.05,98.4 33.05,97

## Text on the board
B.Silkscreen: + | BB_RIGHT | BB_LEFT | BB_CENTER | KICK | CHIP
User.Comments: High Voltage Separations (IPC-2221B) / - External 2.5mm / - External Coated (soldermask) 0.8mm / - Internal 0.25mm / Default high voltage net separation is set at 1.0mm for internal and external nets. The designer needs to watch for component separation since those leads are uncoated and KiCad doesn't have a feature to check this. / Digital Layout Guide: / F.Cu - GND plane, fanout tracks / In1.Cu - Data Tracks / In2.Cu - GND plane, no data tracks / In3.Cu - BATT plane, misc power / In4.Cu - 3v3 plane, E/W tracks / B.Cu   - Data Tracks / Power Layout Guide: / F.Cu - High Voltage plane, data tracks / In1.Cu - GND plane, data tracks / In2.Cu - GND plane, no data tracks / In3.Cu - GND plane / In4.Cu - GND plane / B.Cu   - GND plane, no data tracks
User.Drawings: BATTERY
F.Silkscreen: +3v3 | DBG2 | DBG1 | GND | + | DBG | USR_BTN | SW RESET | CONTROL | AUX | POWER ON | BB_LEFT | STATUS | CHARGE | DRIBBLER | BB_RIGHT | BALL_SENSE | DET | ID | ERR | OK | JUN 2024 | !!! DANGER - HIGH VOLTAGE !!! | SSL A-Team | Kicker v3.1
